# KiCad board InsidePanel.kicad_pcb (continued)
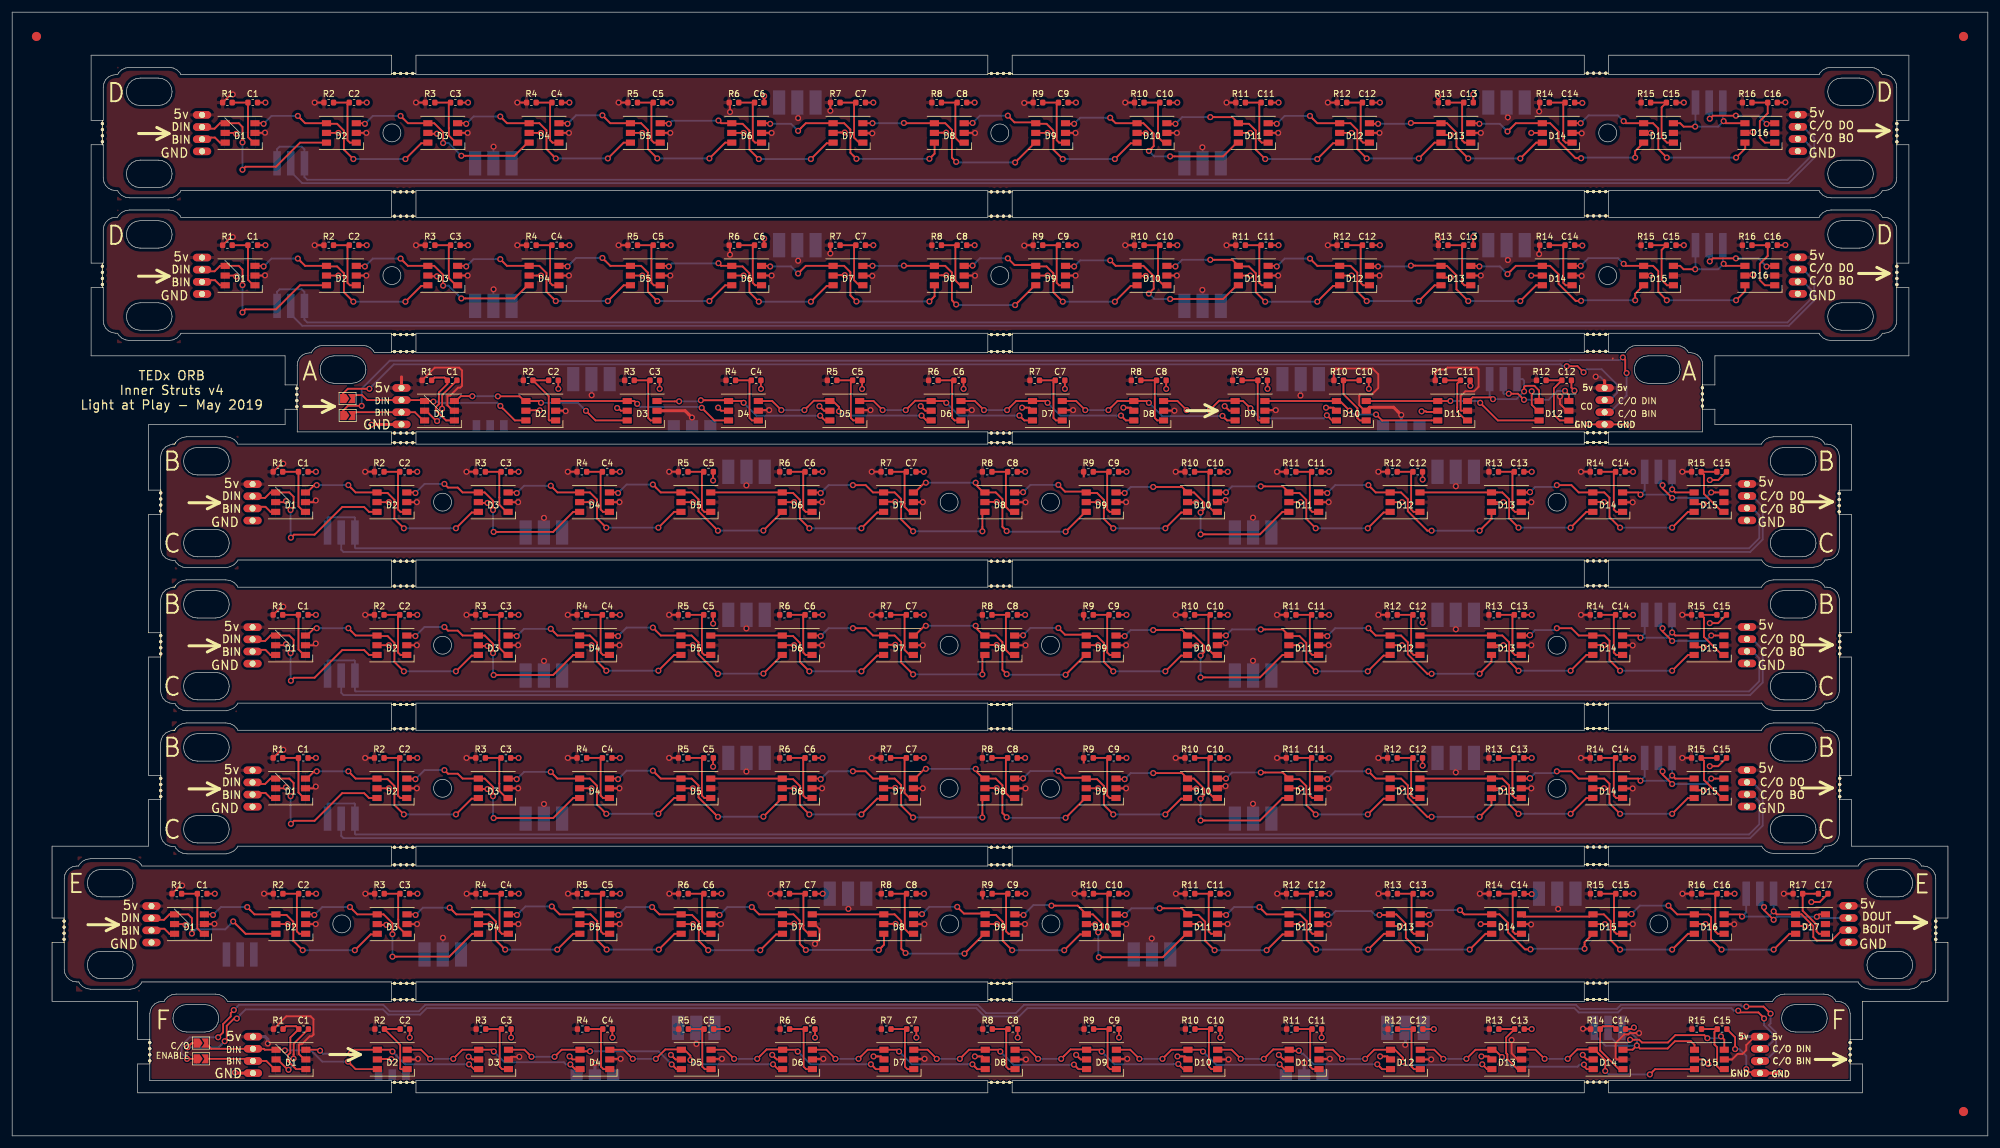
[diagram p0: board, top side]
## Routing (per net, layer and track width the routed paths; a pad name or vN(x,y) marks a point on that pad's centre or on a via; arc(x,y) is an arc through that point) (continued)
Net-(D5-Pad3): length 267.4
  Top w0.3: D5.3 141.7,120.98 v1(143.2,119.48) ; v1(118.76,12.68) 117.26,14.18 D5#5.3 115.08,14.28 ; 143.35,55.52 142.3,55.52 v1(139.7,52.92) ; 126.72,33.16 125.67,33.16 v1(123.07,30.56) ; 135.04,163.42 133.99,163.42 v1(131.39,160.82) ; 126.68,58.72 128.47,58.72 129.58,57.6 129.58,54.47 v1(131.13,52.92) ; 110.05,36.36 111.83,36.36 112.95,35.25 112.95,32.11 v1(114.5,30.56) ; 118.38,166.62 120.16,166.62 121.28,165.5 121.28,162.37 v1(122.83,160.82) ; D6#5.4 128.93,14.18 v1(129.23,13.88) ; D6#5.4 126.69,14.23 124.11,14.23 v1(122.56,12.68) ; D6#5.4 126.55,14.38 ; D6.4 153.36,120.98 v1(153.66,120.68) ; D6.4 150.98,121.18 ; D6.4 151.13,121.03 148.55,121.03 v1(147,119.48) ; 143.35,79.07 142.3,79.07 v1(139.7,76.47) ; 126.68,82.27 128.47,82.27 129.58,81.16 129.58,78.02 v1(131.13,76.47) ; D5#6.3 D6#6.4 ; 143.35,102.63 142.3,102.63 v1(139.7,100.03) ; 126.68,105.83 128.47,105.83 129.58,104.71 129.58,101.58 v1(131.13,100.03) ; D5#7.3 D6#7.4 ; D5#8.3 107.93,143.23 v1(108.03,143.13) ; 118.38,143.13 120.16,143.13 121.28,142.01 121.28,138.88 v1(122.83,137.33) ; v1(131.39,137.33) 133.99,139.93 135.04,139.93 ; D6#8.4 116.63,143.23 v1(116.19,143.67) ; D5#3.3 99.6,36.46 v1(99.7,36.36) ; D7#5.6 142.06,10.98 v1(141.26,11.78) ; v1(116.19,167.15) 116.63,166.72 D6#4.4 ; v1(105.27,37.66) 106.47,36.46 D6#3.4 ; v1(108.03,166.62) 107.93,166.72 D5#4.3 ; v1(165.7,118.58) 166.5,117.78 D7.6 ; D5#2.3 D6#2.4 ; 139.41,120.98 139.51,121.08
  Bottom w0.3: v1(139.7,52.92) v1(131.13,52.92) ; v1(123.07,30.56) v1(114.5,30.56) ; v1(131.39,160.82) v1(122.83,160.82) ; v1(139.7,76.47) v1(131.13,76.47) ; v1(139.7,100.03) v1(131.13,100.03) ; v1(116.19,143.67) 116.15,143.63 108.53,143.63 v1(108.03,143.13) ; v1(131.39,137.33) v1(122.83,137.33) ; v1(105.27,37.66) 101,37.66 v1(99.7,36.36) ; v1(153.66,120.68) 155.76,118.58 v1(165.7,118.58) ; v1(143.2,119.48) v1(147,119.48) ; v1(129.23,13.88) 131.33,11.78 v1(141.26,11.78) ; v1(108.03,166.62) 108.53,167.12 116.15,167.12 v1(116.19,167.15) ; v1(118.76,12.68) v1(122.56,12.68)
Net-(D6-Pad3): length 282.6
  Top w0.3: v1(135.43,12.68) 133.93,14.18 D6#5.3 131.75,14.28 ; v1(159.86,119.48) 158.36,120.98 D6.3 156.18,121.08 ; D7#5.4 145.6,14.18 v1(145.9,13.88) ; D7#5.4 140.73,14.18 v1(139.23,12.68) ; D7#5.4 143.37,14.23 ; D7.4 170.03,120.98 v1(170.33,120.68) ; D7.4 167.8,121.03 ; D7.4 165.16,120.98 v1(163.66,119.48) ; D6#6.3 132.9,82.37 v1(133,82.27) ; 143.38,82.37 145.17,82.37 146.23,81.31 146.23,77.94 v1(148.2,75.97) ; 160.05,79.17 159.6,78.73 v1(159.6,75.97) ; v1(138.3,83.57) 140.4,83.57 141.6,82.37 D7#6.4 ; D6#7.3 132.9,105.93 v1(133,105.83) ; 143.38,105.93 145.17,105.93 146.23,104.86 146.23,101.5 v1(148.2,99.53) ; 160.05,102.73 159.6,102.28 v1(159.6,99.53) ; v1(138.3,107.13) 140.4,107.13 141.6,105.93 D7#7.4 ; v1(124.69,143.13) 124.59,143.23 D6#8.3 ; D7#8.4 130.55,143.23 v1(129.29,141.97) ; v1(138.89,137.37) 137.89,138.37 137.89,142.2 136.86,143.23 135.08,143.23 ; 151.74,140.03 151.74,138.22 v1(150.89,137.37) ; v1(129.29,165.45) 130.55,166.72 D7#4.4 ; v1(124.69,166.62) 124.59,166.72 D6#4.3 ; D7#3.4 122.87,36.46 v1(121.67,37.66) ; D8#5.6 158.76,10.98 v1(157.96,11.78) ; 135.08,166.72 136.86,166.72 137.89,165.69 137.89,161.85 v1(138.89,160.85) ; v1(138.3,60.02) 140.4,60.02 141.6,58.82 D7#2.4 ; 184.51,117.78 183.2,117.78 v1(182.4,118.58) ; v1(130.56,30.6) 129.56,31.6 129.56,35.43 128.53,36.46 126.75,36.46 ; 151.74,163.52 151.74,161.71 v1(150.89,160.85) ; 143.38,58.82 145.17,58.82 146.23,57.75 146.23,54.39 v1(148.2,52.42) ; v1(116.37,36.36) 116.27,36.46 D6#3.3 ; D6#2.3 132.9,58.82 v1(133,58.72) ; 143.42,33.26 143.42,31.46 v1(142.56,30.6) ; 160.05,55.62 159.6,55.17 v1(159.6,52.42)
  Bottom w0.3: v1(133,82.27) 134.3,83.57 v1(138.3,83.57) ; v1(148.2,75.97) v1(159.6,75.97) ; v1(133,105.83) 134.3,107.13 v1(138.3,107.13) ; v1(148.2,99.53) v1(159.6,99.53) ; v1(129.29,141.97) 128.13,143.13 v1(124.69,143.13) ; v1(150.89,137.37) v1(138.89,137.37) ; v1(182.4,118.58) 172.43,118.58 v1(170.33,120.68) ; v1(121.67,37.66) 117.67,37.66 v1(116.37,36.36) ; v1(133,58.72) 134.3,60.02 v1(138.3,60.02) ; v1(148.2,52.42) v1(159.6,52.42) ; v1(124.69,166.62) 128.13,166.62 v1(129.29,165.45) ; v1(157.96,11.78) 148,11.78 v1(145.9,13.88) ; v1(150.89,160.85) v1(138.89,160.85) ; v1(135.43,12.68) v1(139.23,12.68) ; v1(142.56,30.6) v1(130.56,30.6) ; v1(159.86,119.48) v1(163.66,119.48)
Net-(D7-Pad3): length 277.7
  Top w0.3: D7#5.3 150.59,14.18 v1(152.09,12.68) ; D7.3 175.03,120.98 v1(176.53,119.48) ; D8#5.4 162.26,14.18 v1(162.56,13.88) ; D8#5.4 157.39,14.18 v1(155.89,12.68) ; D8#5.4 160.03,14.23 ; D8.4 186.69,120.98 v1(186.99,120.68) ; D8.4 184.47,121.03 ; D8.4 181.83,120.98 v1(180.33,119.48) ; 176.68,79.17 176.56,79.17 v1(173.3,75.91) ; v1(163.6,76.01) 162.9,76.71 162.9,81.28 161.8,82.37 D8#6.4 159.77,82.37 158.5,83.64 v1(158.5,83.97) ; D7#6.3 148.5,82.37 150.1,83.97 v1(150.3,83.97) ; 176.68,102.73 176.56,102.73 v1(173.3,99.47) ; v1(163.6,99.57) 162.9,100.27 162.9,104.83 161.8,105.93 D8#7.4 159.77,105.93 158.5,107.2 v1(158.5,107.53) ; D7#7.3 148.5,105.93 150.1,107.53 v1(150.3,107.53) ; v1(155.29,136.87) 154.59,137.57 154.59,142.14 153.49,143.23 D8#8.4 146.73,143.23 v1(146.69,143.27) ; D9#8.6 168.25,140.03 v1(164.99,136.77) ; D7#8.3 v1(141.53,143.23) ; D7#3.3 D8#3.4 ; D9#5.6 175.41,10.98 v1(174.66,11.73) ; 176.68,55.62 176.56,55.62 v1(173.3,52.36) ; D7#4.3 v1(141.53,166.72) ; v1(158.5,60.42) 158.5,60.09 159.77,58.82 D8#2.4 161.8,58.82 162.9,57.72 162.9,53.16 v1(163.6,52.46) ; D9#4.6 168.25,163.52 v1(164.99,160.25) ; D9.6 199.85,117.78 v1(199.1,118.53) ; v1(150.3,60.42) 150.1,60.42 148.5,58.82 D7#2.3 ; v1(146.69,166.75) 146.73,166.72 D8#4.4 153.49,166.72 154.59,165.62 154.59,161.05 v1(155.29,160.35) ; D9#3.6 159.93,33.26 v1(156.66,30) ; 143.38,36.46 145.17,36.46 146.26,35.37 146.26,30.8 v1(146.96,30.1)
  Bottom w0.3: v1(173.3,75.91) 163.7,75.91 v1(163.6,76.01) ; v1(150.3,83.97) v1(158.5,83.97) ; v1(173.3,99.47) 163.7,99.47 v1(163.6,99.57) ; v1(150.3,107.53) v1(158.5,107.53) ; v1(146.69,143.27) 146.65,143.23 v1(141.53,143.23) ; v1(164.99,136.77) 155.39,136.77 v1(155.29,136.87) ; v1(174.66,11.73) 173.95,11.73 173.9,11.68 164.76,11.68 v1(162.56,13.88) ; v1(156.66,30) 147.06,30 v1(146.96,30.1) ; v1(173.3,52.36) 163.7,52.36 v1(163.6,52.46) ; v1(152.09,12.68) v1(155.89,12.68) ; v1(155.29,160.35) 155.39,160.25 v1(164.99,160.25) ; v1(150.3,60.42) v1(158.5,60.42) ; v1(199.1,118.53) 198.39,118.53 198.34,118.48 189.19,118.48 v1(186.99,120.68) ; v1(176.53,119.48) v1(180.33,119.48) ; v1(141.53,166.72) 146.65,166.72 v1(146.69,166.75)
Net-(D10-Pad3): length 268.5
  Top w0.3: D10#5.3 200.59,14.18 v1(202.09,12.68) ; 226.65,55.52 225.6,55.52 v1(223,52.92) ; 210.02,33.16 208.97,33.16 v1(206.37,30.56) ; 218.34,163.42 217.29,163.42 v1(214.69,160.82) ; 209.98,58.72 211.77,58.72 212.88,57.6 212.88,54.47 v1(214.43,52.92) ; 193.35,36.36 195.13,36.36 196.25,35.25 196.25,32.11 v1(197.8,30.56) ; 201.68,166.62 203.46,166.62 204.58,165.5 204.58,162.37 v1(206.13,160.82) ; 226.65,79.07 225.6,79.07 v1(223,76.47) ; 209.98,82.27 211.77,82.27 212.88,81.16 212.88,78.02 v1(214.43,76.47) ; v1(205.4,83.37) 209.02,83.37 210.02,82.37 ; D10#6.3 198.26,82.38 v1(199.67,82.38) ; 226.65,102.63 225.6,102.63 v1(223,100.03) ; 209.98,105.83 211.77,105.83 212.88,104.71 212.88,101.58 v1(214.43,100.03) ; v1(205.4,106.93) 209.02,106.93 210.02,105.93 ; D10#7.3 198.26,105.94 v1(199.67,105.94) ; 201.71,143.23 200.71,144.23 v1(197.09,144.23) ; v1(191.36,143.13) 190.04,143.13 D10#8.3 ; v1(206.13,137.33) 204.58,138.88 204.58,142.01 203.46,143.13 201.68,143.13 ; 218.34,139.93 217.29,139.93 v1(214.69,137.33) ; v1(236.6,120.98) D11.4 D10.3 ; D12#5.6 225.36,10.98 v1(224.56,11.78) ; 210.08,14.18 210.03,14.23 207.44,14.23 v1(205.89,12.68) ; v1(197.09,167.72) 200.71,167.72 201.71,166.72 ; D11#5.4 210.24,14.02 v1(211.66,14.02) ; v1(191.36,166.62) 190.04,166.62 D10#4.3 ; D10#3.3 181.72,36.36 v1(183.03,36.36) ; 210.02,58.82 209.02,59.82 v1(205.4,59.82) ; D11#3.4 192.38,37.46 v1(188.77,37.46) ; v1(199.67,58.83) 198.26,58.83 D10#2.3 ; D12.6 244.4,117.78 v1(241.5,120.68)
  Bottom w0.3: v1(202.09,12.68) v1(205.89,12.68) ; v1(223,52.92) v1(214.43,52.92) ; v1(206.37,30.56) v1(197.8,30.56) ; v1(214.69,160.82) v1(206.13,160.82) ; v1(223,76.47) v1(214.43,76.47) ; v1(199.67,82.38) 200.67,83.37 v1(205.4,83.37) ; v1(223,100.03) v1(214.43,100.03) ; v1(199.67,105.94) 200.67,106.93 v1(205.4,106.93) ; v1(197.09,144.23) 192.46,144.23 v1(191.36,143.13) ; v1(214.69,137.33) v1(206.13,137.33) ; v1(205.4,59.82) 200.67,59.82 v1(199.67,58.83) ; v1(241.5,120.68) 241.2,120.98 v1(236.6,120.98) ; v1(224.56,11.78) 214.09,11.78 212.36,13.52 212.16,13.52 v1(211.66,14.02) ; v1(183.03,36.36) 184.13,37.46 v1(188.77,37.46) ; v1(197.09,167.72) 192.46,167.72 v1(191.36,166.62)
Net-(D10-Pad4): length 282.7
  Top w0.3: D9#5.3 183.93,14.18 v1(185.43,12.68) ; 210.08,10.98 209.29,10.98 v1(208.49,11.78) ; D10#5.4 195.59,14.18 v1(195.89,13.88) ; D10#5.4 193.36,14.23 ; D10#5.4 190.73,14.18 v1(189.23,12.68) ; v1(195.5,75.47) 205.27,75.47 208.97,79.17 D11#6.6 ; v1(195.5,79.07) 196.1,79.67 196.1,80.67 194.4,82.37 D10#6.4 192.45,83.27 v1(187.7,83.27) ; D9#6.3 181.68,82.27 v1(183,82.27) ; v1(195.5,99.03) 205.27,99.03 208.97,102.73 D11#7.6 ; v1(195.5,102.63) 196.1,103.23 196.1,104.23 194.4,105.93 D10#7.4 192.45,106.83 v1(187.7,106.83) ; D9#7.3 181.68,105.83 v1(183,105.83) ; v1(174.69,143.13) 173.38,143.13 D9#8.3 ; v1(186.99,138.67) 187.79,139.47 187.79,141.54 186.09,143.23 D10#8.4 181.53,143.23 v1(180.63,144.13) ; D11#8.6 201.46,140.03 199.2,137.77 v1(190.49,137.77) ; D11#2.6 208.97,55.62 205.27,51.92 v1(195.5,51.92) ; D9#2.3 181.68,58.72 v1(183,58.72) ; v1(170.96,37.9) 175.28,37.9 D10#3.4 177.77,36.46 179.46,34.77 179.46,34.3 v1(178.66,33.5) ; v1(178.76,29.4) 189.27,29.4 193.13,33.26 D11#3.6 ; v1(220.02,119.38) 218.42,120.98 D10.4 ; v1(174.69,166.62) 173.38,166.62 D9#4.3 ; v1(190.49,161.25) 199.2,161.25 201.46,163.52 D11#4.6 ; D10.4 217.8,121.03 ; D10.4 D9.3 ; D11.6 225.35,117.78 v1(224.37,118.76) ; v1(187.7,59.72) 192.45,59.72 D10#2.4 194.4,58.82 196.1,57.12 196.1,56.12 v1(195.5,55.52) ; v1(166.37,36.36) 165.05,36.36 D9#3.3 ; v1(180.63,167.62) 181.53,166.72 D10#4.4 186.09,166.72 187.79,165.02 187.79,162.95 v1(186.99,162.15)
  Bottom w0.3: v1(195.5,79.07) v1(195.5,75.47) ; v1(187.7,83.27) 184,83.27 v1(183,82.27) ; v1(195.5,102.63) v1(195.5,99.03) ; v1(187.7,106.83) 184,106.83 v1(183,105.83) ; v1(174.69,143.13) 175.69,144.13 v1(180.63,144.13) ; v1(186.99,138.67) 187.89,137.77 v1(190.49,137.77) ; v1(166.37,36.36) 168,38 170.86,38 v1(170.96,37.9) ; v1(174.69,166.62) 175.69,167.62 v1(180.63,167.62) ; v1(224.37,118.76) 220.65,118.76 v1(220.02,119.38) ; v1(183,58.72) 184,59.72 v1(187.7,59.72) ; v1(195.89,13.88) 198.09,11.68 208.39,11.68 v1(208.49,11.78) ; v1(186.99,162.15) 187.89,161.25 v1(190.49,161.25) ; v1(195.5,55.52) v1(195.5,51.92) ; v1(185.43,12.68) v1(189.23,12.68) ; v1(178.66,33.5) 178.66,29.5 v1(178.76,29.4)
Net-(D10-Pad6): length 271.5
  Top w0.3: v1(168.76,12.68) 167.26,14.18 D8#5.3 165.08,14.28 ; v1(193.19,119.48) 191.69,120.98 D8.3 189.51,121.08 ; 193.35,55.52 192.3,55.52 v1(189.7,52.92) ; 176.72,33.16 175.67,33.16 v1(173.07,30.56) ; 185.04,163.42 183.99,163.42 v1(181.39,160.82) ; 176.68,58.72 178.47,58.72 179.58,57.6 179.58,54.47 v1(181.13,52.92) ; 160.05,36.36 161.83,36.36 162.95,35.25 162.95,32.11 v1(164.5,30.56) ; 168.38,166.62 170.16,166.62 171.28,165.5 171.28,162.37 v1(172.83,160.82) ; v1(179.23,13.88) 178.93,14.18 D9#5.4 176.69,14.23 174.11,14.23 v1(172.56,12.68) ; 193.35,79.07 192.3,79.07 v1(189.7,76.47) ; 176.68,82.27 178.47,82.27 179.58,81.16 179.58,78.02 v1(181.13,76.47) ; v1(166.3,82.41) 166.26,82.37 D8#6.3 ; D9#6.4 176.55,82.51 173.2,82.51 v1(172.1,83.61) ; 193.35,102.63 192.3,102.63 v1(189.7,100.03) ; 176.68,105.83 178.47,105.83 179.58,104.71 179.58,101.58 v1(181.13,100.03) ; v1(166.3,105.97) 166.26,105.93 D8#7.3 ; D9#7.4 176.55,106.07 173.2,106.07 v1(172.1,107.17) ; v1(172.83,137.33) 171.28,138.88 171.28,142.01 170.16,143.13 168.38,143.13 ; D8#8.3 157.95,143.23 v1(157.99,143.27) ; 185.04,139.93 183.99,139.93 v1(181.39,137.33) ; v1(163.79,144.47) 164.89,143.37 168.24,143.37 D9#8.4 ; v1(203.7,119.78) 202.5,120.98 D9.4 201.13,121.03 198.54,121.03 v1(196.99,119.48) ; v1(163.79,167.95) 164.89,166.85 168.24,166.85 D9#4.4 ; D10.6 217.11,117.78 v1(216.26,118.63) ; D8#2.3 166.26,58.82 v1(166.3,58.86) ; v1(172.1,60.06) 173.2,58.96 176.55,58.96 D9#2.4 ; v1(149.66,36.5) 149.63,36.46 D8#3.3 ; v1(191.83,11.83) 192.68,10.98 D10#5.6 ; D8#4.3 157.95,166.72 v1(157.99,166.75) ; D9#3.4 159.91,36.6 156.56,36.6 v1(155.46,37.7)
  Bottom w0.3: v1(168.76,12.68) v1(172.56,12.68) ; v1(193.19,119.48) v1(196.99,119.48) ; v1(189.7,52.92) v1(181.13,52.92) ; v1(173.07,30.56) v1(164.5,30.56) ; v1(181.39,160.82) v1(172.83,160.82) ; v1(189.7,76.47) v1(181.13,76.47) ; v1(166.3,82.41) 167.5,83.61 v1(172.1,83.61) ; v1(189.7,100.03) v1(181.13,100.03) ; v1(166.3,105.97) 167.5,107.17 v1(172.1,107.17) ; v1(163.79,144.47) 159.19,144.47 v1(157.99,143.27) ; v1(181.39,137.33) v1(172.83,137.33) ; v1(216.26,118.63) 215.76,118.13 205.35,118.13 v1(203.7,119.78) ; v1(163.79,167.95) 159.19,167.95 v1(157.99,166.75) ; v1(179.23,13.88) 181.33,11.78 191.07,11.78 191.12,11.83 v1(191.83,11.83) ; v1(172.1,60.06) 167.5,60.06 v1(166.3,58.86) ; v1(155.46,37.7) 150.86,37.7 v1(149.66,36.5)
Net-(D11-Pad3): length 241.7
  Top w0.3: 214.98,14.18 217.26,14.18 v1(218.76,12.68) ; D13#2.6 225.67,33.26 v1(223.07,30.66) ; D13#3.6 233.99,163.52 v1(231.39,160.92) ; 218.38,166.72 220.16,166.72 221.28,165.6 221.28,162.47 v1(222.83,160.92) ; v1(214.5,30.66) 212.95,32.21 212.95,35.35 211.83,36.46 D12#3.4 206.37,36.46 v1(205.17,37.66) ; v1(216.33,82.27) 216.23,82.37 D11#6.3 ; v1(241.4,76.07) 243.35,78.02 D13#5.6 ; v1(233.5,76.07) 232.79,76.07 229.58,79.29 229.58,81.26 228.47,82.37 226.68,82.37 ; D12#6.4 224.3,82.37 v1(223.1,83.57) ; v1(216.33,105.83) 216.23,105.93 D11#7.3 ; v1(241.4,99.63) 243.35,101.58 D13#6.6 ; v1(233.5,99.63) 232.79,99.63 229.58,102.84 229.58,104.81 228.47,105.93 226.68,105.93 ; D12#7.4 224.3,105.93 v1(223.1,107.13) ; v1(213.49,144.43) 214.69,143.23 D12#8.4 ; D13#7.6 233.99,140.03 v1(231.39,137.43) ; 218.38,143.23 220.16,143.23 221.28,142.11 221.28,138.98 v1(222.83,137.43) ; D11#8.3 207.93,143.23 v1(208.03,143.13) ; D12#2.4 224.3,58.82 v1(223.1,60.02) ; D11#2.3 216.23,58.82 v1(216.33,58.72) ; D13.6 243.35,54.47 v1(241.4,52.52) ; D11#4.3 207.93,166.72 v1(208.03,166.62) ; D11#3.3 199.6,36.46 v1(199.7,36.36) ; D12#4.4 214.69,166.72 v1(213.49,167.92) ; v1(241.83,11.78) 242.63,10.98 D13#4.6 ; v1(222.56,12.68) 224.06,14.18 D12#5.4 227.47,14.18 228.76,12.89 v1(228.76,12.18) ; v1(233.5,52.52) 232.79,52.52 229.58,55.73 229.58,57.7 228.47,58.82 226.68,58.82
  Bottom w0.3: v1(223.07,30.66) v1(214.5,30.66) ; v1(231.39,160.92) v1(222.83,160.92) ; v1(241.4,76.07) v1(233.5,76.07) ; v1(216.33,82.27) 217.63,83.57 v1(223.1,83.57) ; v1(241.4,99.63) v1(233.5,99.63) ; v1(216.33,105.83) 217.63,107.13 v1(223.1,107.13) ; v1(208.03,143.13) 209.33,144.43 v1(213.49,144.43) ; v1(231.39,137.43) v1(222.83,137.43) ; v1(218.76,12.68) v1(222.56,12.68) ; v1(213.49,167.92) 209.33,167.92 v1(208.03,166.62) ; v1(241.4,52.52) v1(233.5,52.52) ; v1(205.17,37.66) 201,37.66 v1(199.7,36.36) ; v1(228.76,12.18) 229.26,11.68 241.73,11.68 v1(241.83,11.78) ; v1(216.33,58.72) 217.63,60.02 v1(223.1,60.02)
Net-(D12-Pad3): length 236.9
  Top w0.3: v1(247.8,53.02) 246.25,54.57 246.25,57.7 245.13,58.82 D13.4 ; D14.6 258.97,55.62 v1(256.37,53.02) ; D13.4 243.1,58.82 ; D13.4 D12#2.3 ; v1(239.23,12.68) 240.73,14.18 D13#4.4 243.86,14.18 v1(245.06,12.98) ; D12#5.3 233.93,14.18 v1(235.43,12.68) ; 243.42,33.26 242.37,33.26 v1(239.77,30.66) ; 251.74,163.52 250.69,163.52 v1(248.09,160.92) ; D13#5.4 245.13,82.37 246.25,81.26 246.25,78.12 v1(247.8,76.57) ; D13#5.4 243.1,82.37 ; D13#5.4 D12#6.3 ; v1(256.37,76.57) 258.97,79.17 D14#5.6 ; 243.38,82.37 244.33,82.37 ; D13#6.4 245.13,105.93 246.25,104.81 246.25,101.68 v1(247.8,100.13) ; D13#6.4 243.1,105.93 ; D13#6.4 D12#7.3 ; v1(256.37,100.13) 258.97,102.73 D14#6.6 ; 243.38,105.93 244.33,105.93 ; v1(230.09,143.27) 235.01,143.27 D13#7.4 ; v1(239.53,137.43) 237.59,139.37 237.59,141.67 236.03,143.23 235.08,143.23 ; 223.28,143.23 223.38,143.13 v1(224.69,143.13) ; 251.74,140.03 250.69,140.03 v1(248.09,137.43) ; v1(230.09,166.75) 235.01,166.75 D13#3.4 ; D12#3.3 215.05,36.36 v1(216.37,36.36) ; 235.08,166.72 236.03,166.72 237.59,165.15 237.59,162.85 v1(239.53,160.92) ; D13#2.4 226.62,36.36 v1(224.92,36.36) ; v1(258.56,11.73) 258.56,11.45 259.03,10.98 D14#4.6 ; 243.38,58.82 244.33,58.82 ; 223.28,166.72 223.38,166.62 v1(224.69,166.62) ; v1(231.2,30.66) 229.26,32.6 229.26,34.9 227.7,36.46 226.75,36.46
  Bottom w0.3: v1(235.43,12.68) v1(239.23,12.68) ; v1(239.77,30.66) v1(231.2,30.66) ; v1(248.09,160.92) v1(239.53,160.92) ; v1(256.37,76.57) v1(247.8,76.57) ; v1(256.37,100.13) v1(247.8,100.13) ; v1(230.09,143.27) 229.95,143.13 v1(224.69,143.13) ; v1(248.09,137.43) v1(239.53,137.43) ; v1(245.06,12.98) 246.66,11.38 257.5,11.38 257.85,11.73 v1(258.56,11.73) ; v1(230.09,166.75) 229.95,166.62 v1(224.69,166.62) ; v1(256.37,53.02) v1(247.8,53.02) ; v1(224.92,36.36) 224.21,36.36 223.57,37 217.71,37 217.07,36.36 v1(216.37,36.36)
Net-(D13-Pad3): length 244.8
  Top w0.3: 249.62,58.82 v1(249.67,58.87) 249.62,58.82 ; 249.62,58.82 D13.3 249.62,58.82 ; D13#4.3 250.59,14.18 v1(252.09,12.68) ; 276.72,55.62 275.67,55.62 v1(273.07,53.02) ; 276.72,79.17 275.67,79.17 v1(273.07,76.57) ; 249.62,82.37 v1(249.67,82.42) 249.62,82.37 ; 249.62,82.37 D13#5.3 249.62,82.37 ; v1(264.5,76.57) 262.76,78.31 262.76,81.51 261.9,82.37 D14#5.4 257.7,82.37 256.5,83.57 v1(254.1,83.57) ; 276.72,102.73 275.67,102.73 v1(273.07,100.13) ; 249.62,105.93 v1(249.67,105.98) 249.62,105.93 ; 249.62,105.93 D13#6.3 249.62,105.93 ; v1(264.5,100.13) 262.76,101.87 262.76,105.07 261.9,105.93 D14#6.4 257.7,105.93 256.5,107.13 v1(254.1,107.13) ; v1(245.99,141.87) 247.35,143.23 D14#7.4 252.99,143.23 254.39,141.84 254.39,140.26 257.18,137.47 v1(258.09,137.47) ; v1(266.99,137.57) 266.99,138.65 268.38,140.03 ; D13#7.3 241.26,143.23 v1(241.36,143.13) ; 243.38,36.46 244.67,36.46 246.06,35.07 246.06,33.49 248.86,30.7 v1(249.76,30.7) ; v1(255.89,12.68) 257.44,14.23 260.03,14.23 260.08,14.18 ; v1(266.99,161.05) 266.99,162.13 268.38,163.52 ; D14#4.4 260.33,14.18 262.06,12.45 v1(262.06,10.68) ; v1(233.03,36.36) 232.93,36.46 D13#2.3 ; D15#2.6 258.66,31.88 v1(258.66,30.8) ; v1(238.17,37.16) 238.87,36.46 D14#2.4 ; v1(269.4,10.11) 270.27,10.98 D15#4.6 ; v1(254.1,60.02) 256.5,60.02 257.7,58.82 D14.4 261.9,58.82 262.76,57.96 262.76,54.76 v1(264.5,53.02) ; D13#3.3 241.26,166.72 v1(241.36,166.62) ; v1(258.09,160.95) 257.18,160.95 254.39,163.75 254.39,165.32 252.99,166.72 D14#3.4 247.35,166.72 v1(245.99,165.35)
  Bottom w0.3: v1(252.09,12.68) v1(255.89,12.68) ; v1(273.07,53.02) v1(264.5,53.02) ; v1(273.07,76.57) v1(264.5,76.57) ; v1(254.1,83.57) 253.8,83.27 250.52,83.27 v1(249.67,82.42) ; v1(273.07,100.13) v1(264.5,100.13) ; v1(254.1,107.13) 253.8,106.83 250.52,106.83 v1(249.67,105.98) ; v1(258.09,137.47) 258.19,137.57 v1(266.99,137.57) ; v1(245.99,141.87) 244.73,143.13 v1(241.36,143.13) ; v1(269.4,10.11) 262.63,10.11 v1(262.06,10.68) ; v1(241.36,166.62) 244.73,166.62 v1(245.99,165.35) ; v1(266.99,161.05) 258.19,161.05 v1(258.09,160.95) ; v1(249.76,30.7) 249.86,30.8 v1(258.66,30.8) ; v1(254.1,60.02) 253.8,59.72 250.52,59.72 v1(249.67,58.87) ; v1(233.03,36.36) 233.83,37.16 v1(238.17,37.16)
Net-(D14-Pad3): length 105.7
  Top w0.3: v1(264.5,30.66) 262.95,32.21 262.95,35.35 261.83,36.46 D15#2.4 259.8,36.46 259.44,36.1 248.65,36.1 D14#2.3 ; D16.6 275.67,33.26 v1(273.07,30.66) ; D14#7.3 v1(258.03,143.23) ; v1(265.09,143.57) 265.43,143.23 D15#7.4 269.93,143.23 270.79,142.37 270.79,138.97 v1(272.19,137.57) ; v1(283.59,137.57) 285.09,139.07 285.09,139.74 284.79,140.03 D16#3.6 ; v1(272.19,161.05) 270.79,162.45 270.79,165.85 269.93,166.72 D15#3.4 265.43,166.72 v1(265.09,167.05) ; D14#3.3 v1(258.03,166.72) ; v1(283.59,161.05) 285.09,162.55 285.09,163.22 284.79,163.52 D16#2.6
  Bottom w0.3: v1(272.19,137.57) v1(283.59,137.57) ; v1(258.03,143.23) 259.29,144.5 264.16,144.5 v1(265.09,143.57) ; v1(258.03,166.72) 259.31,168 264.14,168 v1(265.09,167.05) ; v1(273.07,30.66) v1(264.5,30.66) ; v1(272.19,161.05) v1(283.59,161.05)
Net-(D15-Pad3): length 37.4
  Top w0.3: 266.32,36.46 v1(266.37,36.51) 266.32,36.46 ; 266.32,36.46 D15#2.3 266.32,36.46 ; 293.42,33.26 292.37,33.26 v1(289.77,30.66) ; v1(272.46,37.9) 273.9,36.46 D16.4 279,36.46 279.46,36 279.46,32.4 v1(281.2,30.66)
  Bottom w0.3: v1(289.77,30.66) v1(281.2,30.66) ; 266.87,37.01 v1(266.37,36.51) 267.75,37.9 v1(272.46,37.9)
Net-(J2-Pad1): length 1267
  Bottom w0.3: 286.47,81.77 J5#6.2 286.26,81.77 287.96,80.07 287.96,74.63 285.9,72.57 54.5,72.57 54.13,72.94 J2#3.1 ; 286.47,105.33 J5#7.2 286.26,105.33 287.96,103.63 287.96,98.19 285.9,96.13 54.5,96.13 54.13,96.5 J2#4.1 ; 294.83,142.63 J5#8.2 294.62,142.63 296.44,140.81 296.44,137.54 292.27,133.37 47.71,133.37 45.83,135.26 J2#9.1 ; 294.83,166.12 J5#3.2 294.62,166.12 296.44,164.3 296.44,161.03 292.27,156.85 47.71,156.85 45.83,158.74 J2#2.1 ; 286.47,58.22 J5.2 286.26,58.22 287.96,56.52 287.96,51.08 285.9,49.02 54.5,49.02 54.13,49.39 J2.1
Net-(J2-Pad2): length 1285.3
  Bottom w0.3: 284.51,79.77 J5#6.3 286.26,79.77 287.41,78.62 287.41,74.86 285.72,73.17 56.5,73.17 56.38,73.29 J2#3.2 56.38,78.19 56.3,78.27 52,78.27 51.88,78.16 J2#3.2 ; 284.51,103.33 J5#7.3 286.26,103.33 287.41,102.18 287.41,98.42 285.72,96.73 56.5,96.73 56.38,96.85 J2#4.2 56.38,101.75 56.3,101.83 52,101.83 51.88,101.71 J2#4.2 ; 292.87,140.63 J5#8.3 294.62,140.63 295.89,139.36 295.89,137.77 292.04,133.92 48.54,133.92 48.08,134.38 J2#9.2 48.08,138.93 47.64,139.37 43.99,139.37 43.58,138.96 J2#9.2 ; J2.2 51.88,54.6 52,54.72 56.3,54.72 56.38,54.64 J2.2 56.38,49.74 56.5,49.62 285.72,49.62 287.41,51.31 287.41,55.07 286.26,56.22 J5.3 284.51,56.22 ; J2#2.2 43.58,162.44 43.99,162.85 47.64,162.85 48.08,162.42 J2#2.2 48.08,157.87 48.54,157.4 292.04,157.4 295.89,161.25 295.89,162.85 294.62,164.12 J5#3.3 292.87,164.12

## Copper pours and planes (outline as drawn; the poured copper is in the pictures)
+5V on Top: 275.6,128.78 275,129.58 273.7,129.98 266.6,129.98 265.5,129.18 265.3,128.88 59.5,128.88 58.9,129.58 57.5,130.08 51.2,130.08 50.1,129.78 49.4,129.18 49.2,128.88 47.7,128.48 47,127.48 46.9,126.88 46.9,115.98 277.9,115.98 277.9,126.88 277.8,127.58 277.3,128.28 276.7,128.68 276,128.88
+5V on Top: 302.46,9.08 302.46,19.98 302.06,21.18 301.56,21.68 300.96,21.88 300.46,21.98 300.06,22.08 299.36,22.78 298.76,23.08 298.16,23.28 291.66,23.28 290.96,23.18 290.36,22.88 289.86,22.38 289.66,22.08 35.56,22.08 34.86,22.78 34.26,23.08 33.56,23.18 27.06,23.28 26.36,23.08 25.76,22.78 25.26,22.28 25.16,21.98 24.66,21.98 24.16,21.88 23.66,21.68 23.16,21.18 22.86,20.58 22.76,19.98 22.76,9.08
+5V on Top: 303.75,24 303.75,25.5 314.25,25.5 314.25,24
+5V on Top: 303.75,44.5 303.75,46 314.25,46 314.25,44.5
+5V on Top: 288,46.25 288,47.75 298.5,47.75 298.5,46.25
+5V on Top: 287.75,66.75 287.75,68.25 298.25,68.25 298.25,66.75
+5V on Top: 288,69.5 288,71 298.5,71 298.5,69.5
+5V on Top: 288,90.25 288,91.75 298.5,91.75 298.5,90.25
+5V on Top: 288,93.25 288,94.75 298.5,94.75 298.5,93.25
+5V on Top: 288.25,113.75 288.25,115.25 298.75,115.25 298.75,113.75
+5V on Top: 297.25,130.5 297.25,132 307.75,132 307.75,130.5
+5V on Top: 297.25,151.25 297.25,152.75 307.75,152.75 307.75,151.25
+5V on Top: 297,154 297,155.5 307.5,155.5 307.5,154
+5V on Top: 297.5,174.75 297.5,176.25 308,176.25 308,174.75
+5V on Top: 14.99,151.47 309.98,151.47 309.98,131.67 14.99,131.67
+5V on Top: 14.99,174.95 309.98,174.95 309.98,155.15 14.99,155.15
+5V on Top: 25.4,114.27 300.8,114.23 300.8,94.43 25.4,94.47
+5V on Top: 25.4,90.71 300.8,90.67 300.8,70.87 25.4,70.91
+5V on Top: 302.46,9.08 302.46,19.98 302.06,21.18 301.56,21.68 300.96,21.88 300.46,21.98 300.06,22.08 299.36,22.78 298.76,23.08 298.16,23.28 291.66,23.28 290.96,23.18 290.36,22.88 289.86,22.38 289.66,22.08 35.56,22.08 34.86,22.78 34.26,23.08 33.56,23.18 27.06,23.28 26.36,23.08 25.76,22.78 25.26,22.28 25.16,21.98 24.66,21.98 24.16,21.88 23.66,21.68 23.16,21.18 22.86,20.58 22.76,19.98 22.76,9.08
+5V on Top: 8.76,44.8 316.16,44.8 316.16,25 8.76,25
+5V on Top: 25.4,67.16 300.8,67.12 300.8,47.32 25.4,47.36
+5V on Top: 275.6,128.68 275,129.48 273.7,129.88 266.6,129.88 265.5,129.08 265.3,128.78 59.5,128.78 58.9,129.48 57.5,129.98 51.2,129.98 50.1,129.68 49.4,129.08 49.2,128.78 47.7,128.38 47,127.38 46.9,126.78 46.9,115.88 277.9,115.88 277.9,126.78 277.8,127.48 277.3,128.18 276.7,128.58 276,128.78
GND on Bottom: 275.6,128.78 275,129.58 273.7,129.98 266.6,129.98 265.5,129.18 265.3,128.88 59.5,128.88 58.9,129.58 57.5,130.08 51.2,130.08 50.1,129.78 49.4,129.18 49.2,128.88 47.7,128.48 47,127.48 46.9,126.88 46.9,115.98 277.9,115.98 277.9,126.88 277.8,127.58 277.3,128.28 276.7,128.68 276,128.88
